# KiCad board manila_ice.kicad_pcb (continued)
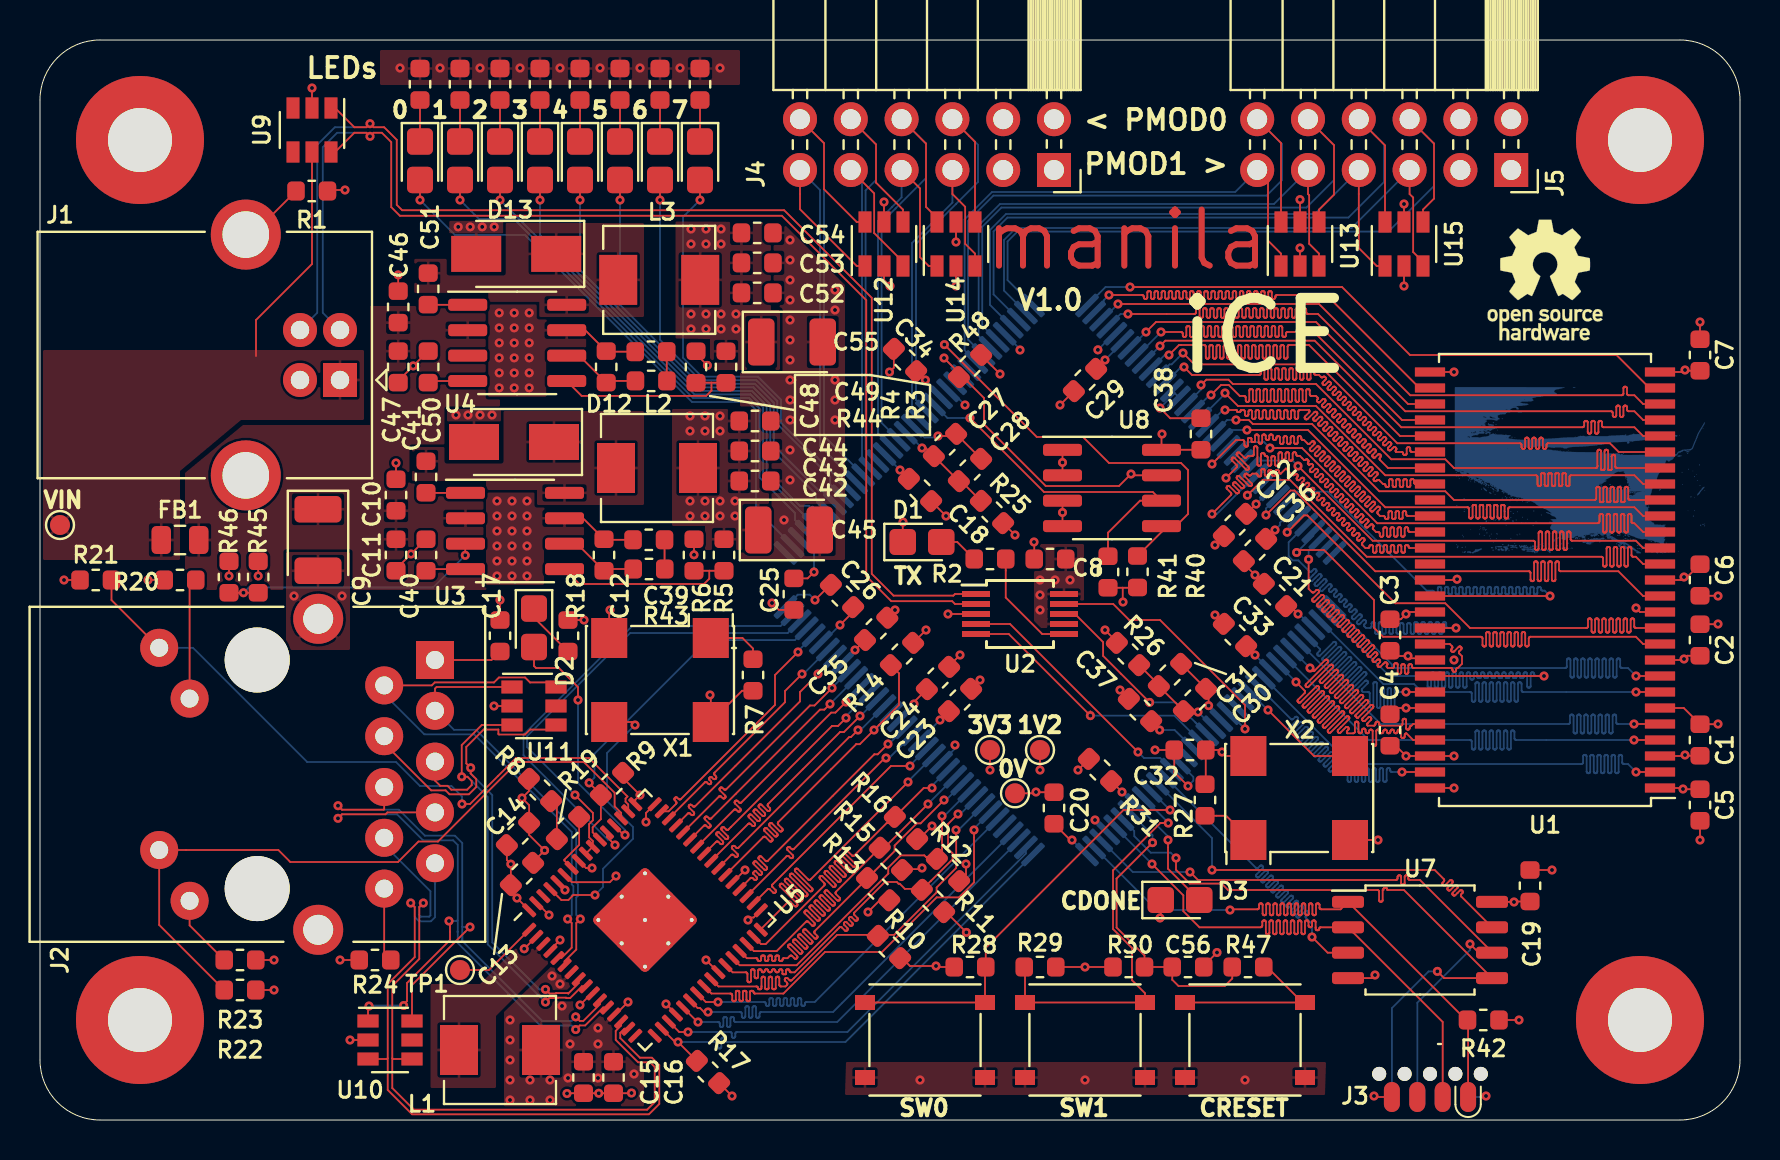
[diagram p0: board, top side]
## Routing (per net, layer and track width the routed paths; a pad name or vN(x,y) marks a point on that pad's centre or on a via; arc(x,y) is an arc through that point) (continued)
  Bottom w0.089: v1(63.5,22.6) 62.61,23.49 U6.43
/SDRAM/DATA14: length 31
  Top w0.089: U1.51 68.66,19 68.32,19.33 68.3,19.33 68.28,19.32 68.27,19.31 68.25,19.3 68.24,19.28 68.24,19.26 68.23,19.24 68.23,19.18 68.23,19.16 68.23,19.14 68.21,19.13 68.2,19.11 68.18,19.1 68.16,19.1 68.14,19.09 68.13,19.1 68.11,19.1 68.09,19.11 68.08,19.13 68.06,19.14 68.06,19.16 68.06,19.18 68.06,19.43 68.05,19.45 68.05,19.47 68.04,19.49 68.02,19.5 68.01,19.51 67.99,19.52 67.97,19.52 67.95,19.52 67.93,19.51 67.91,19.5 67.9,19.49 67.89,19.47 67.88,19.45 67.88,19.43 67.88,19.42 67.88,19.4 67.87,19.38 67.86,19.37 67.84,19.35 67.83,19.34 67.81,19.34 67.79,19.33 67.77,19.34 67.75,19.34 67.73,19.35 67.72,19.37 67.71,19.38 67.7,19.4 67.7,19.42 67.7,19.43 67.7,19.45 67.69,19.47 67.68,19.49 67.67,19.5 67.65,19.51 67.63,19.52 67.61,19.52 67.59,19.52 67.57,19.51 67.56,19.5 67.54,19.49 67.53,19.47 67.52,19.45 67.52,19.43 67.52,19.42 67.52,19.4 67.51,19.38 67.5,19.37 67.49,19.35 67.47,19.34 67.45,19.34 67.43,19.33 67.41,19.34 67.4,19.34 67.38,19.35 67.36,19.37 67.35,19.38 67.35,19.4 67.34,19.42 67.34,19.43 67.34,19.45 67.34,19.47 67.33,19.49 67.31,19.5 67.29,19.51 67.28,19.52 67.26,19.52 67.24,19.52 67.22,19.51 67.2,19.5 67.19,19.49 67.18,19.47 67.17,19.45 67.17,19.43 67.17,19.42 67.16,19.4 67.16,19.38 67.15,19.37 67.13,19.35 67.12,19.34 67.1,19.34 67.08,19.33 67.06,19.34 67.04,19.34 67.02,19.35 67.01,19.37 67,19.38 66.99,19.4 66.99,19.42 66.99,19.43 66.99,19.45 66.98,19.47 66.97,19.49 66.96,19.5 66.94,19.51 66.92,19.52 66.9,19.52 66.88,19.52 66.86,19.51 66.84,19.5 66.83,19.49 66.82,19.47 66.81,19.45 66.81,19.43 66.81,18.78 66.81,18.76 66.8,18.74 66.79,18.73 66.78,18.71 66.76,18.7 66.74,18.7 66.72,18.69 66.7,18.7 66.68,18.7 66.67,18.71 66.65,18.73 66.64,18.74 66.64,18.76 66.63,18.78 66.63,19.43 66.63,19.45 66.62,19.47 66.61,19.49 66.6,19.5 66.58,19.51 66.56,19.52 66.54,19.52 66.52,19.52 66.51,19.51 66.49,19.5 66.48,19.49 66.46,19.47 66.46,19.45 66.46,19.43 66.46,19.42 66.45,19.4 66.45,19.38 66.44,19.37 66.42,19.35 66.41,19.34 66.39,19.34 66.37,19.33 66.35,19.34 66.33,19.34 66.31,19.35 66.3,19.37 66.29,19.38 66.28,19.4 66.28,19.42 66.28,19.48 66.28,19.5 66.27,19.52 66.26,19.54 66.24,19.55 66.23,19.56 66.21,19.57 66.19,19.57 66.17,19.57 66.15,19.56 66.13,19.55 66.12,19.54 66.11,19.52 66.1,19.5 66.1,19.48 66.1,19.42 66.1,19.4 66.09,19.38 66.08,19.37 66.07,19.35 66.05,19.34 66.03,19.34 66.01,19.33 65.99,19.34 65.97,19.34 65.96,19.35 65.94,19.37 65.93,19.38 65.92,19.4 65.92,19.42 65.92,19.83 65.92,19.85 65.91,19.87 65.9,19.89 65.89,19.9 65.87,19.91 65.85,19.92 65.83,19.92 65.81,19.92 65.79,19.91 65.78,19.9 65.76,19.89 65.75,19.87 65.75,19.85 65.74,19.83 65.74,19.42 65.74,19.4 65.74,19.38 65.73,19.37 65.71,19.35 65.69,19.34 65.68,19.34 65.66,19.33 65.37,19.33 65.35,19.35 65.35,19.37 65.34,19.39 65.34,19.41 65.35,19.43 65.35,19.44 65.37,19.46 65.41,19.5 65.42,19.52 65.43,19.54 65.44,19.56 65.44,19.58 65.43,19.59 65.42,19.61 65.41,19.63 65.39,19.64 65.38,19.65 65.36,19.65 65.34,19.65 65.32,19.65 65.3,19.64 65.28,19.63 65.04,19.38 65.02,19.37 65,19.36 64.98,19.35 64.96,19.35 64.94,19.36 64.93,19.37 64.91,19.38 64.9,19.4 64.89,19.41 64.89,19.43 64.89,19.45 64.89,19.47 64.9,19.49 64.91,19.51 65.44,20.04 65.45,20.05 65.46,20.07 65.47,20.09 65.47,20.11 65.46,20.13 65.45,20.15 65.44,20.16 65.43,20.18 65.41,20.18 65.39,20.19 65.37,20.19 65.35,20.18 65.33,20.18 65.32,20.16 64.54,19.38 64.52,19.37 64.5,19.36 64.48,19.36 64.46,19.36 64.45,19.36 64.43,19.37 64.41,19.38 64.4,19.4 64.39,19.42 64.39,19.44 64.39,19.46 64.39,19.48 64.4,19.49 64.41,19.51 65.19,20.29 65.2,20.3 65.21,20.32 65.22,20.34 65.22,20.36 65.21,20.38 65.2,20.4 65.19,20.41 65.17,20.43 65.16,20.44 65.14,20.44 65.12,20.44 65.1,20.44 65.08,20.43 65.06,20.41 64.29,19.64 64.27,19.62 64.25,19.61 64.23,19.61 64.21,19.61 64.19,19.61 64.18,19.62 64.16,19.64 64.15,19.65 64.14,19.67 64.13,19.69 64.13,19.71 64.14,19.73 64.15,19.75 64.16,19.76 64.94,20.54 64.95,20.56 64.96,20.57 64.96,20.59 64.96,20.61 64.96,20.63 64.95,20.65 64.94,20.67 64.92,20.68 64.91,20.69 64.89,20.69 64.87,20.69 64.85,20.69 64.83,20.68 64.81,20.67 64.03,19.89 64.02,19.87 64,19.87 63.98,19.86 63.96,19.86 63.94,19.87 63.92,19.87 63.91,19.89 63.9,19.9 63.89,19.92 63.88,19.94 63.88,19.96 63.89,19.98 63.9,20 63.91,20.01 64.69,20.79 64.7,20.81 64.71,20.82 64.71,20.84 64.71,20.86 64.71,20.88 64.7,20.9 64.69,20.92 64.67,20.93 64.65,20.94 64.63,20.94 64.61,20.94 64.59,20.94 64.58,20.93 64.56,20.92 63.78,20.14 63.77,20.13 63.75,20.12 63.73,20.11 63.71,20.11 63.69,20.12 63.67,20.13 63.66,20.14 63.64,20.15 63.64,20.17 63.63,20.19 63.63,20.21 63.64,20.23 63.64,20.25 63.66,20.26 64.44,21.04 64.45,21.06 64.46,21.08 64.46,21.1 64.46,21.12 64.46,21.13 64.45,21.15 64.44,21.17 64.42,21.18 64.4,21.19 64.38,21.19 64.36,21.19 64.34,21.19 64.33,21.18 64.31,21.17 63.53,20.39 63.52,20.38 63.5,20.37 63.48,20.36 63.46,20.36 63.44,20.37 63.42,20.38 63.41,20.39 63.39,20.41 63.38,20.42 63.38,20.44 63.38,20.46 63.38,20.48 63.39,20.5 63.41,20.52 64.18,21.29 64.2,21.31 64.21,21.33 64.21,21.35 64.21,21.37 64.21,21.39 64.2,21.4 64.18,21.42 64.17,21.43 64.15,21.44 64.13,21.45 64.11,21.45 64.09,21.44 64.07,21.43 64.06,21.42 63.28,20.64 63.26,20.63 63.25,20.62 63.23,20.62 63.21,20.62 63.19,20.62 63.17,20.63 63.15,20.64 63.14,20.66 63.13,20.67 63.13,20.69 63.13,20.71 63.13,20.73 63.14,20.75 63.15,20.77 63.93,21.55 63.95,21.56 63.95,21.58 63.96,21.6 63.96,21.62 63.95,21.64 63.95,21.66 63.93,21.67 63.92,21.68 63.9,21.69 63.88,21.7 63.86,21.7 63.84,21.69 63.82,21.68 63.81,21.67 63.03,20.89 63.01,20.88 63,20.87 62.98,20.87 62.96,20.87 62.94,20.87 62.92,20.88 62.9,20.89 62.89,20.91 62.88,20.93 62.88,20.95 62.88,20.97 62.88,20.99 62.89,21 62.9,21.02 63.23,21.34 63.24,21.36 63.25,21.38 63.25,21.4 63.25,21.42 63.25,21.44 63.24,21.46 63.23,21.47 v1(62.8,21.9)
  Bottom w0.089: v1(62.8,21.9) 61.9,22.8 U6.45
/SDRAM/DATA15: length 31
  Top w0.089: U1.53 v1(68.1,17.4)
  Bottom w0.089: U6.48 62.54,20.06 62.56,20.04 62.57,20.03 62.59,20.03 62.61,20.03 62.63,20.03 62.65,20.04 62.67,20.06 62.75,20.14 62.76,20.15 62.78,20.16 62.8,20.16 62.82,20.16 62.84,20.16 62.86,20.15 62.87,20.14 62.89,20.12 62.9,20.11 62.9,20.09 62.9,20.07 62.9,20.05 62.89,20.03 62.87,20.01 62.44,19.58 62.43,19.56 62.42,19.55 62.42,19.53 62.42,19.51 62.42,19.49 62.43,19.47 62.44,19.45 62.46,19.44 62.48,19.43 62.49,19.43 62.51,19.43 62.53,19.43 62.55,19.44 62.57,19.45 63,19.89 63.02,19.9 63.03,19.91 63.05,19.91 63.07,19.91 63.09,19.91 63.11,19.9 63.13,19.89 63.14,19.87 63.15,19.85 63.15,19.83 63.15,19.81 63.15,19.79 63.14,19.78 63.13,19.76 62.69,19.33 62.68,19.31 62.67,19.3 62.67,19.28 62.67,19.26 62.67,19.24 62.68,19.22 62.69,19.2 62.71,19.19 62.73,19.18 62.75,19.18 62.77,19.18 62.79,19.18 62.8,19.19 62.82,19.2 63.25,19.64 63.27,19.65 63.29,19.66 63.3,19.66 63.32,19.66 63.34,19.66 63.36,19.65 63.38,19.64 63.39,19.62 63.4,19.6 63.4,19.58 63.4,19.56 63.4,19.54 63.39,19.53 63.38,19.51 62.94,19.08 62.93,19.06 62.92,19.04 62.92,19.02 62.92,19 62.92,18.99 62.93,18.97 62.94,18.95 62.96,18.94 62.98,18.93 63,18.93 63.02,18.93 63.04,18.93 63.05,18.94 63.07,18.95 63.5,19.38 63.52,19.4 63.54,19.41 63.56,19.41 63.58,19.41 63.6,19.41 63.61,19.4 63.63,19.38 63.64,19.37 63.65,19.35 63.65,19.33 63.65,19.31 63.65,19.29 63.64,19.27 63.63,19.26 63.2,18.83 63.18,18.81 63.18,18.79 63.17,18.77 63.17,18.75 63.18,18.73 63.18,18.72 63.2,18.7 63.21,18.69 63.23,18.68 63.25,18.67 63.27,18.67 63.29,18.68 63.31,18.69 63.32,18.7 63.75,19.13 63.77,19.15 63.79,19.15 63.81,19.16 63.83,19.16 63.85,19.15 63.86,19.15 63.88,19.13 63.89,19.12 63.9,19.1 63.91,19.08 63.91,19.06 63.9,19.04 63.89,19.02 63.88,19.01 63.45,18.57 63.44,18.56 63.43,18.54 63.42,18.52 63.42,18.5 63.43,18.48 63.44,18.46 63.45,18.45 63.46,18.44 63.48,18.43 63.5,18.42 63.52,18.42 63.54,18.43 63.56,18.44 63.57,18.45 64.01,18.88 64.02,18.89 64.04,18.9 64.06,18.91 64.08,18.91 64.1,18.9 64.12,18.89 64.13,18.88 64.14,18.87 64.15,18.85 64.16,18.83 64.16,18.81 64.15,18.79 64.14,18.77 64.13,18.76 63.7,18.32 63.69,18.31 63.68,18.29 63.67,18.27 63.67,18.25 63.68,18.23 63.69,18.21 63.7,18.2 63.71,18.19 63.73,18.18 63.75,18.17 63.77,18.17 63.79,18.18 63.81,18.19 63.82,18.2 64.26,18.63 64.27,18.64 64.29,18.65 64.31,18.66 64.33,18.66 64.35,18.65 64.37,18.64 64.38,18.63 64.4,18.61 64.4,18.6 64.41,18.58 64.41,18.56 64.4,18.54 64.4,18.52 64.38,18.5 63.95,18.07 63.94,18.06 63.93,18.04 63.93,18.02 63.93,18 63.93,17.98 63.94,17.96 63.95,17.95 63.97,17.93 63.98,17.92 64,17.92 64.02,17.92 64.04,17.92 64.06,17.93 64.08,17.95 64.51,18.38 64.52,18.39 64.54,18.4 64.56,18.4 64.58,18.4 64.6,18.4 64.62,18.39 64.63,18.38 64.65,18.36 64.66,18.34 64.66,18.33 64.66,18.31 64.66,18.29 64.65,18.27 64.63,18.25 64.2,17.82 64.19,17.8 64.18,17.79 64.18,17.77 64.18,17.75 64.18,17.73 64.19,17.71 64.2,17.69 64.22,17.68 64.24,17.67 64.25,17.67 64.27,17.67 64.29,17.67 64.31,17.68 64.33,17.69 64.76,18.13 64.78,18.14 64.79,18.15 64.81,18.15 64.83,18.15 64.85,18.15 64.87,18.14 64.89,18.13 64.9,18.11 64.91,18.09 64.91,18.07 64.91,18.05 64.91,18.03 64.9,18.02 64.89,18 64.45,17.57 64.44,17.55 64.43,17.54 64.43,17.52 64.43,17.5 64.43,17.48 64.44,17.46 64.45,17.44 64.47,17.43 64.49,17.42 64.51,17.42 64.53,17.42 64.55,17.42 64.56,17.43 64.58,17.44 65.01,17.88 65.03,17.89 65.05,17.9 65.06,17.9 65.08,17.9 65.1,17.9 65.12,17.89 65.14,17.88 65.15,17.86 65.16,17.84 65.16,17.82 65.16,17.8 65.16,17.78 65.15,17.77 65.14,17.75 65.05,17.67 65.04,17.65 65.03,17.63 65.03,17.61 65.03,17.59 65.03,17.57 65.04,17.56 65.05,17.54 65.2,17.4 65.29,17.4 65.31,17.4 65.33,17.39 65.34,17.38 65.36,17.37 65.37,17.35 65.38,17.33 65.38,17.31 65.38,16.99 65.38,16.97 65.39,16.96 65.4,16.94 65.41,16.92 65.43,16.91 65.45,16.91 65.47,16.91 65.49,16.91 65.5,16.91 65.52,16.92 65.54,16.94 65.55,16.96 65.55,16.97 65.56,16.99 65.56,17.51 65.56,17.53 65.56,17.54 65.57,17.56 65.59,17.58 65.61,17.59 65.62,17.59 65.64,17.59 65.66,17.59 65.68,17.59 65.7,17.58 65.71,17.56 65.72,17.54 65.73,17.53 65.73,17.51 65.73,16.99 65.74,16.97 65.74,16.96 65.75,16.94 65.77,16.92 65.78,16.91 65.8,16.91 65.82,16.91 65.84,16.91 65.86,16.91 65.88,16.92 65.89,16.94 65.9,16.96 65.91,16.97 65.91,16.99 65.91,17.51 65.91,17.53 65.92,17.54 65.93,17.56 65.94,17.58 65.96,17.59 65.98,17.59 66,17.59 66.02,17.59 66.04,17.59 66.06,17.58 66.07,17.56 66.08,17.54 66.09,17.53 66.09,17.51 66.09,16.99 66.09,16.97 66.1,16.96 66.11,16.94 66.12,16.92 66.14,16.91 66.16,16.91 66.18,16.91 66.2,16.91 66.22,16.91 66.23,16.92 66.25,16.94 66.26,16.96 66.26,16.97 66.27,16.99 66.27,17.51 66.27,17.53 66.28,17.54 66.29,17.56 66.3,17.58 66.32,17.59 66.34,17.59 66.36,17.59 66.38,17.59 66.39,17.59 66.41,17.58 66.42,17.56 66.44,17.54 66.44,17.53 66.44,17.51 66.44,16.99 66.45,16.97 66.45,16.96 66.46,16.94 66.48,16.92 66.49,16.91 66.51,16.91 66.53,16.91 66.55,16.91 66.57,16.91 66.59,16.92 66.6,16.94 66.61,16.96 66.62,16.97 66.62,16.99 66.62,17.51 66.62,17.53 66.63,17.54 66.64,17.56 66.66,17.58 66.67,17.59 66.69,17.59 66.71,17.59 66.73,17.59 66.75,17.59 66.77,17.58 66.78,17.56 66.79,17.54 66.8,17.53 66.8,17.51 66.8,16.99 66.8,16.97 66.81,16.96 66.82,16.94 66.83,16.92 66.85,16.91 66.87,16.91 66.89,16.91 66.91,16.91 66.93,16.91 66.94,16.92 66.96,16.94 66.97,16.96 66.98,16.97 66.98,16.99 66.98,17.51 66.98,17.53 66.99,17.54 67,17.56 67.01,17.58 67.03,17.59 67.05,17.59 67.07,17.59 67.09,17.59 67.11,17.59 67.12,17.58 67.14,17.56 67.15,17.54 67.15,17.53 67.16,17.51 67.16,16.99 67.16,16.97 67.16,16.96 67.17,16.94 67.19,16.92 67.21,16.91 67.22,16.91 67.24,16.91 67.26,16.91 67.28,16.91 67.3,16.92 67.31,16.94 67.32,16.96 67.33,16.97 67.33,16.99 67.33,17.51 67.34,17.53 67.34,17.54 67.35,17.56 67.37,17.58 67.38,17.59 67.4,17.59 67.42,17.59 67.44,17.59 67.46,17.59 67.48,17.58 67.49,17.56 67.5,17.54 67.51,17.53 67.51,17.51 67.51,17.49 67.51,17.47 67.52,17.45 67.53,17.43 67.54,17.42 67.56,17.41 67.58,17.4 67.6,17.4 v1(68.1,17.4)
/SDRAM/LDQM: length 31
  Top w0.089: v1(60.37,31.24) 61.13,32 62.5,32 66.34,28.16 78.06,28.16 78.08,28.16 78.1,28.15 78.12,28.14 78.13,28.13 78.14,28.11 78.15,28.09 78.15,28.07 78.15,27.76 78.15,27.74 78.16,27.72 78.17,27.7 78.18,27.69 78.2,27.68 78.22,27.67 78.24,27.67 78.26,27.67 78.28,27.68 78.3,27.69 78.31,27.7 78.32,27.72 78.33,27.74 78.33,27.76 78.33,28.57 78.33,28.59 78.34,28.61 78.35,28.62 78.36,28.64 78.38,28.65 78.4,28.65 78.42,28.66 78.44,28.65 78.46,28.65 78.47,28.64 78.49,28.62 78.5,28.61 78.5,28.59 78.51,28.57 78.51,27.76 78.51,27.74 78.52,27.72 78.53,27.7 78.54,27.69 78.56,27.68 78.58,27.67 78.6,27.67 78.62,27.67 78.63,27.68 78.65,27.69 78.67,27.7 78.68,27.72 78.68,27.74 78.68,27.76 78.68,28.57 78.69,28.59 78.69,28.61 78.7,28.62 78.72,28.64 78.73,28.65 78.75,28.65 78.77,28.66 78.79,28.65 78.81,28.65 78.83,28.64 78.84,28.62 78.85,28.61 78.86,28.59 78.86,28.57 78.86,27.76 78.86,27.74 78.87,27.72 78.88,27.7 78.9,27.69 78.91,27.68 78.93,27.67 78.95,27.67 78.97,27.67 78.99,27.68 79.01,27.69 79.02,27.7 79.03,27.72 79.04,27.74 79.04,27.76 79.04,28.57 79.04,28.59 79.05,28.61 79.06,28.62 79.07,28.64 79.09,28.65 79.11,28.65 79.13,28.66 79.15,28.65 79.17,28.65 79.18,28.64 79.2,28.62 79.21,28.61 79.22,28.59 79.22,28.57 79.22,27.76 79.22,27.74 79.23,27.72 79.24,27.7 79.25,27.69 79.27,27.68 79.29,27.67 79.31,27.67 79.33,27.67 79.35,27.68 79.36,27.69 79.38,27.7 79.39,27.72 79.39,27.74 79.4,27.76 79.4,28.57 79.4,28.59 79.4,28.61 79.42,28.62 79.43,28.64 79.45,28.65 79.46,28.65 79.48,28.66 79.5,28.65 79.52,28.65 79.54,28.64 79.55,28.62 79.56,28.61 79.57,28.59 79.57,28.57 79.57,28.25 79.58,28.23 79.58,28.21 79.59,28.2 79.61,28.18 79.62,28.17 79.64,28.16 79.66,28.16 79.79,28.16 80.16,27.8 U1.15
  Bottom w0.089: U6.26 61.02,31.89 v1(60.37,31.24)
/SDRAM/~{CAS}: length 31
  Top w0.089: U1.17 80.16,29.4 79.72,29.84 79.66,29.84 79.64,29.84 79.62,29.85 79.61,29.86 79.59,29.87 79.58,29.89 79.58,29.91 79.57,29.93 79.57,30.22 79.57,30.24 79.56,30.26 79.55,30.27 79.54,30.29 79.52,30.3 79.5,30.3 79.48,30.31 79.46,30.3 79.45,30.3 79.43,30.29 79.42,30.27 79.4,30.26 79.4,30.24 79.4,30.22 79.4,29.46 79.39,29.44 79.39,29.42 79.38,29.4 79.36,29.39 79.35,29.38 79.33,29.37 79.31,29.37 79.29,29.37 79.27,29.38 79.25,29.39 79.24,29.4 79.23,29.42 79.22,29.44 79.22,29.46 79.22,30.22 79.22,30.24 79.21,30.26 79.2,30.27 79.18,30.29 79.17,30.3 79.15,30.3 79.13,30.31 79.11,30.3 79.09,30.3 79.07,30.29 79.06,30.27 79.05,30.26 79.04,30.24 79.04,30.22 79.04,29.46 79.04,29.44 79.03,29.42 79.02,29.4 79.01,29.39 78.99,29.38 78.97,29.37 78.95,29.37 78.93,29.37 78.91,29.38 78.9,29.39 78.88,29.4 78.87,29.42 78.86,29.44 78.86,29.46 78.86,30.22 78.86,30.24 78.85,30.26 78.84,30.27 78.83,30.29 78.81,30.3 78.79,30.3 78.77,30.31 78.75,30.3 78.73,30.3 78.72,30.29 78.7,30.27 78.69,30.26 78.69,30.24 78.68,30.22 78.68,29.46 78.68,29.44 78.68,29.42 78.67,29.4 78.65,29.39 78.63,29.38 78.62,29.37 78.6,29.37 78.58,29.37 78.56,29.38 78.54,29.39 78.53,29.4 78.52,29.42 78.51,29.44 78.51,29.46 78.51,30.22 78.5,30.24 78.5,30.26 78.49,30.27 78.47,30.29 78.46,30.3 78.44,30.3 78.42,30.31 78.4,30.3 78.38,30.3 78.36,30.29 78.35,30.27 78.34,30.26 78.33,30.24 78.33,30.22 78.33,29.46 78.33,29.44 78.32,29.42 78.31,29.4 78.3,29.39 78.28,29.38 78.26,29.37 78.24,29.37 78.22,29.37 78.2,29.38 78.18,29.39 78.17,29.4 78.16,29.42 78.15,29.44 78.15,29.46 78.15,30.22 78.15,30.24 78.14,30.26 78.13,30.27 78.12,30.29 78.1,30.3 78.08,30.3 78.06,30.31 78.04,30.3 78.02,30.3 78.01,30.29 77.99,30.27 77.98,30.26 77.98,30.24 77.97,30.22 77.97,29.93 77.97,29.91 77.96,29.89 77.95,29.87 77.94,29.86 77.92,29.85 77.9,29.84 77.88,29.84 66.86,29.84 63.1,33.6 v1(61.5,33.6)
  Bottom w0.089: v1(61.5,33.6) 61.2,33.89 60.37,33.89 U6.22
/SDRAM/~{CS}: length 31.7
  Top w0.089: v1(59.8,35) 60.44,35 60.64,34.8 63.6,34.8 66.96,31.44 70.26,31.44 70.7,31 77.72,31 77.74,31 77.76,31.01 77.78,31.02 77.79,31.03 77.8,31.05 77.81,31.07 77.81,31.09 77.81,31.57 77.81,31.59 77.82,31.61 77.83,31.63 77.84,31.64 77.86,31.65 77.88,31.66 77.9,31.66 77.92,31.66 77.94,31.65 77.96,31.64 77.97,31.63 77.98,31.61 77.99,31.59 77.99,31.57 77.99,30.94 77.99,30.93 77.99,30.92 78,30.91 78.01,30.9 78.02,30.89 78.03,30.89 78.04,30.89 78.11,30.89 78.12,30.89 78.13,30.89 78.15,30.9 78.15,30.91 78.16,30.92 78.17,30.93 78.17,30.94 78.17,31.57 78.17,31.59 78.18,31.61 78.19,31.63 78.2,31.64 78.22,31.65 78.24,31.66 78.26,31.66 78.28,31.66 78.29,31.65 78.31,31.64 78.32,31.63 78.34,31.61 78.34,31.59 78.34,31.57 78.34,30.94 78.35,30.93 78.35,30.92 78.36,30.91 78.37,30.9 78.38,30.89 78.39,30.89 78.4,30.89 78.47,30.89 78.48,30.89 78.49,30.89 78.5,30.9 78.51,30.91 78.52,30.92 78.52,30.93 78.52,30.94 78.52,31.57 78.52,31.59 78.53,31.61 78.54,31.63 78.56,31.64 78.57,31.65 78.59,31.66 78.61,31.66 78.63,31.66 78.65,31.65 78.67,31.64 78.68,31.63 78.69,31.61 78.7,31.59 78.7,31.57 78.7,30.94 78.7,30.93 78.71,30.92 78.71,30.91 78.72,30.9 78.73,30.89 78.74,30.89 78.76,30.89 78.82,30.89 78.83,30.89 78.85,30.89 78.86,30.9 78.87,30.91 78.87,30.92 78.88,30.93 78.88,30.94 78.88,31.57 78.88,31.59 78.89,31.61 78.9,31.63 78.91,31.64 78.93,31.65 78.95,31.66 78.97,31.66 78.99,31.66 79.01,31.65 79.02,31.64 79.04,31.63 79.05,31.61 79.05,31.59 79.06,31.57 79.06,30.94 79.06,30.93 79.06,30.92 79.07,30.91 79.08,30.9 79.09,30.89 79.1,30.89 79.11,30.89 79.18,30.89 79.19,30.89 79.2,30.89 79.21,30.9 79.22,30.91 79.23,30.92 79.23,30.93 79.23,30.94 79.23,31.57 79.24,31.59 79.24,31.61 79.25,31.63 79.27,31.64 79.28,31.65 79.3,31.66 79.32,31.66 79.34,31.66 79.36,31.65 79.38,31.64 79.39,31.63 79.4,31.61 79.41,31.59 79.41,31.57 79.41,31.09 79.41,31.07 79.42,31.05 79.43,31.03 79.44,31.02 79.46,31.01 79.48,31 79.5,31 U1.19
  Bottom w0.089: v1(59.8,35) 59.35,35 U6.19 59.15,34.8
/USB_D_N: length 65.5
  Top w0.089: U9.6 14.76,48.4 15.72,49.36 16.32,49.36 v1(16.5,49.18) 16.68,49.36 17.09,49.36 17.56,48.89 17.56,45.64 17.99,45.21 37.09,45.21 41.31,40.99 41.31,27.19 42.56,25.94 45.61,25.94 45.75,25.8 U2.2
  Bottom w0.089: v1(16.5,49.18) 16.32,49.36 14.86,49.36 14.14,48.64 14.14,40.36 J1.2 14.5,40
/USB_D_P: length 65.6
  Top w0.089: U9.1 14.76,50.6 15.72,49.64 16.32,49.64 v1(16.5,49.82) 16.68,49.64 17.21,49.64 17.84,49.01 17.84,45.76 18.11,45.49 37.21,45.49 41.59,41.11 41.59,27.31 42.68,26.22 45.67,26.22 45.75,26.3 U2.1
  Bottom w0.089: v1(16.5,49.82) 16.32,49.64 14.74,49.64 13.86,48.76 13.86,40.36 J1.3 12.7,39.8
/USB_UART/UART_RX: length 13.5
  Top w0.089: v1(60.25,19.55) 60.25,20.75 56,25 54.46,25 53.66,25.8 U2.9
  Bottom w0.089: v1(60.25,19.55) 59.46,20.34 U6.52
Net-(D1-Pad2): length 2
  Top w0.089: R2.2 45.86,28.9 D1.2
Net-(D2-Pad1): length 2.9
  Top w0.089: R18.1 24.7,25.12 D2.1
Net-(D2-Pad2): length 12.7
  Top w0.089: v1(29.25,14.25) 29.18,14.25 U5.52 ; v1(26.9,21) 26.9,21.65 25.95,22.6 24.8,22.6 24.7,22.7 D2.2
  Bottom w0.089: v1(29.25,14.25) 29.25,14.5 26.9,16.85 v1(26.9,21)
Net-(D4-Pad1): length 2.1
  Top w0.089: R32.1 33,48.92
Net-(D5-Pad1): length 2.1
  Top w0.089: R33.1 31,48.92
Net-(D6-Pad1): length 2.1
  Top w0.089: R34.1 29,48.92
Net-(D7-Pad1): length 2.1
  Top w0.089: R35.1 27,48.92
Net-(D8-Pad1): length 2.1
  Top w0.089: R36.1 25,48.92
Net-(D9-Pad1): length 2.1
  Top w0.089: R37.1 23,48.92
Net-(D10-Pad1): length 2.1
  Top w0.089: R38.1 21,48.92
Net-(D11-Pad1): length 2.1
  Top w0.089: R39.1 19,48.92
Net-(J1-Pad5): length 4.5
  Top w0.089: 11.33,44.27 J1.5 ; J1.5 10.25,44.31 ; J1.5 10.62,44.27 R1.1
Net-(R2-Pad1): length 5.6
  Top w0.089: R2.1 48.29,26.12 50.11,24.3 U2.6
Net-(R7-Pad2): length 2.9
  Top w0.089: R7.2 35.65,23.58 35.13,24.1 X1.1
Net-(R19-Pad1): length 2.1
  Top w0.089: R8.2 25.84,15.66 R19.1 25.79,14.04
Net-(R19-Pad2): length 3
  Top w0.089: R19.2 26.96,13.75 26.22,13.02 26.22,12.97 U5.58
Net-(R27-Pad2): length 2.7
  Top w0.089: X2.1 60.42,14.1 59.31,15.21 R27.2
Net-(R47-Pad2): length 8.9
  Top w0.089: 57.13,5.88 SW3.1 SW3.1 63.13,5.88 61.35,7.65 R47.2
Net-(U6-Pad49): length 6.3
  Top w0.089: v1(61.4,20.5) 63.7,18.2 X2.3
  Bottom w0.089: v1(61.4,20.5) 61.39,20.5 U6.49

## Copper pours and planes (outline as drawn; the poured copper is in the pictures)
+1V2 on Top: 31.6,35.55 36.45,35.55 36.45,28.5 33.25,28.5 33.25,29.7 31.6,29.7
+1V2 on Bottom: 31.6,35.7 35.7,35.7 35.7,29.5 37.5,29.5 51.25,42.75 67,26.75 51.25,11.25 35.75,26.75 31.6,26.75
+3V3 on Top: 31.77,44.92 36.55,44.9 36.55,40.5 37,40.5 37,37.5 33.5,37.5 33.5,39.05 31.77,39.08
+3V3 on Top: 49.7,24.6 52.2,24.6 52.2,28.8 49.7,28.8
+3V3 on In2.Cu: 0,54 85,54 85,0 0,0
/5V on Top: 7.25,32.35 10.15,34.75 16.5,34.75 16.5,40.7 23,40.7 23,26.5 7.25,26.5
/ETHERNET/VDD on Top: 25.9,8 23.2,5.4 23.2,0.4 30.2,0.4 30.2,3.8
/ETHERNET/VDD on Bottom: 23,0.45 30.2,0.4 30.2,3.15 37,10 30,17 23,10
/VBUS on Top: 16.2,38.5 0,38.5 0,28 7,28 7,32.45 10.05,35 16.2,35
GND on Top: 12.3,28.4 12.3,23.5 15.5,23.5 15.5,28.4
GND on Top: 35,45 37,45 40.25,41.75 40.25,28 35,28
GND on Top: 22.51,40.86 24.91,40.86 24.91,40.11 27.31,40.11 27.31,38.56 25.31,38.56 25.31,36.16 22.41,36.16 22.41,41.31
GND on Top: 20.46,42.36 23.16,42.36 23.16,44.95 20.46,44.95
GND on Top: 22.4,31.45 24.8,31.45 24.8,30.7 27.2,30.7 27.2,29.15 25.2,29.15 25.2,26.75 22.3,26.75 22.3,31.9
GND on Top: 20.35,32.95 23.05,32.95 23.05,35.55 20.35,35.55
GND on Top: 40.3,2.9 40.25,1.25 64.25,1.25 64.3,2.9
GND on Top: 17,51.75 35,51.75 35,53.5 17,53.5
GND on Bottom: 0,54 85,54 85,0 0,0
GND on In1.Cu: 0,54 85,54 85,0 0,0
/1V2_REG/PH on Top: 18.6,33.65 20.4,33.65 20.4,35.45 30.2,35.45 30.2,30.75 24.85,30.75 24.85,31.5 22.3,31.5 22.3,31.95 18.6,31.95
/3V3_REG/PH on Top: 18.71,43.06 20.51,43.06 20.51,44.86 30.2,44.85 30.2,40.15 24.96,40.16 24.96,40.91 22.41,40.91 22.41,41.36 18.71,41.36
/ETHERNET/REG_OUT on Top: 24.6,9.4 22,6.8 19.52,6.8 19.52,1.6 22.8,1.6 22.8,5.2 25.8,8.2
Net-(J1-Pad5) on In2.Cu: 0,47 12.5,47 12.5,29.5 0,29.5

## Text on the board
B.Mask: Shetland
B.SilkS: Designed by Joshua Tyler / October 2019 | JLCJLCJLCJLC
Cmts.User: Controlled impedance designed for JLC7628 stackup | Designed to JLCPCB Design rules | KiCAD doesn't suport separate track to track and via to track clearence. / To combat this, the board was designed with 0.53mm vias, later shrunk to 0.45mm after final design rule check.
Top: manila
F.Mask: manila
F.SilkS: VIN | 0 | 1 | 2 | 3 | 4 | 5 | 6 | 7 | TX | SW0 | 3V3 | 0V | 1V2 | SW1 | CDONE | CRESET | LEDs | V1.0 | < PMOD0 | PMOD1 > | iCE
